# Altium PCB ComplexCurcuit.PcbDoc (part 1 of 2) (continued)
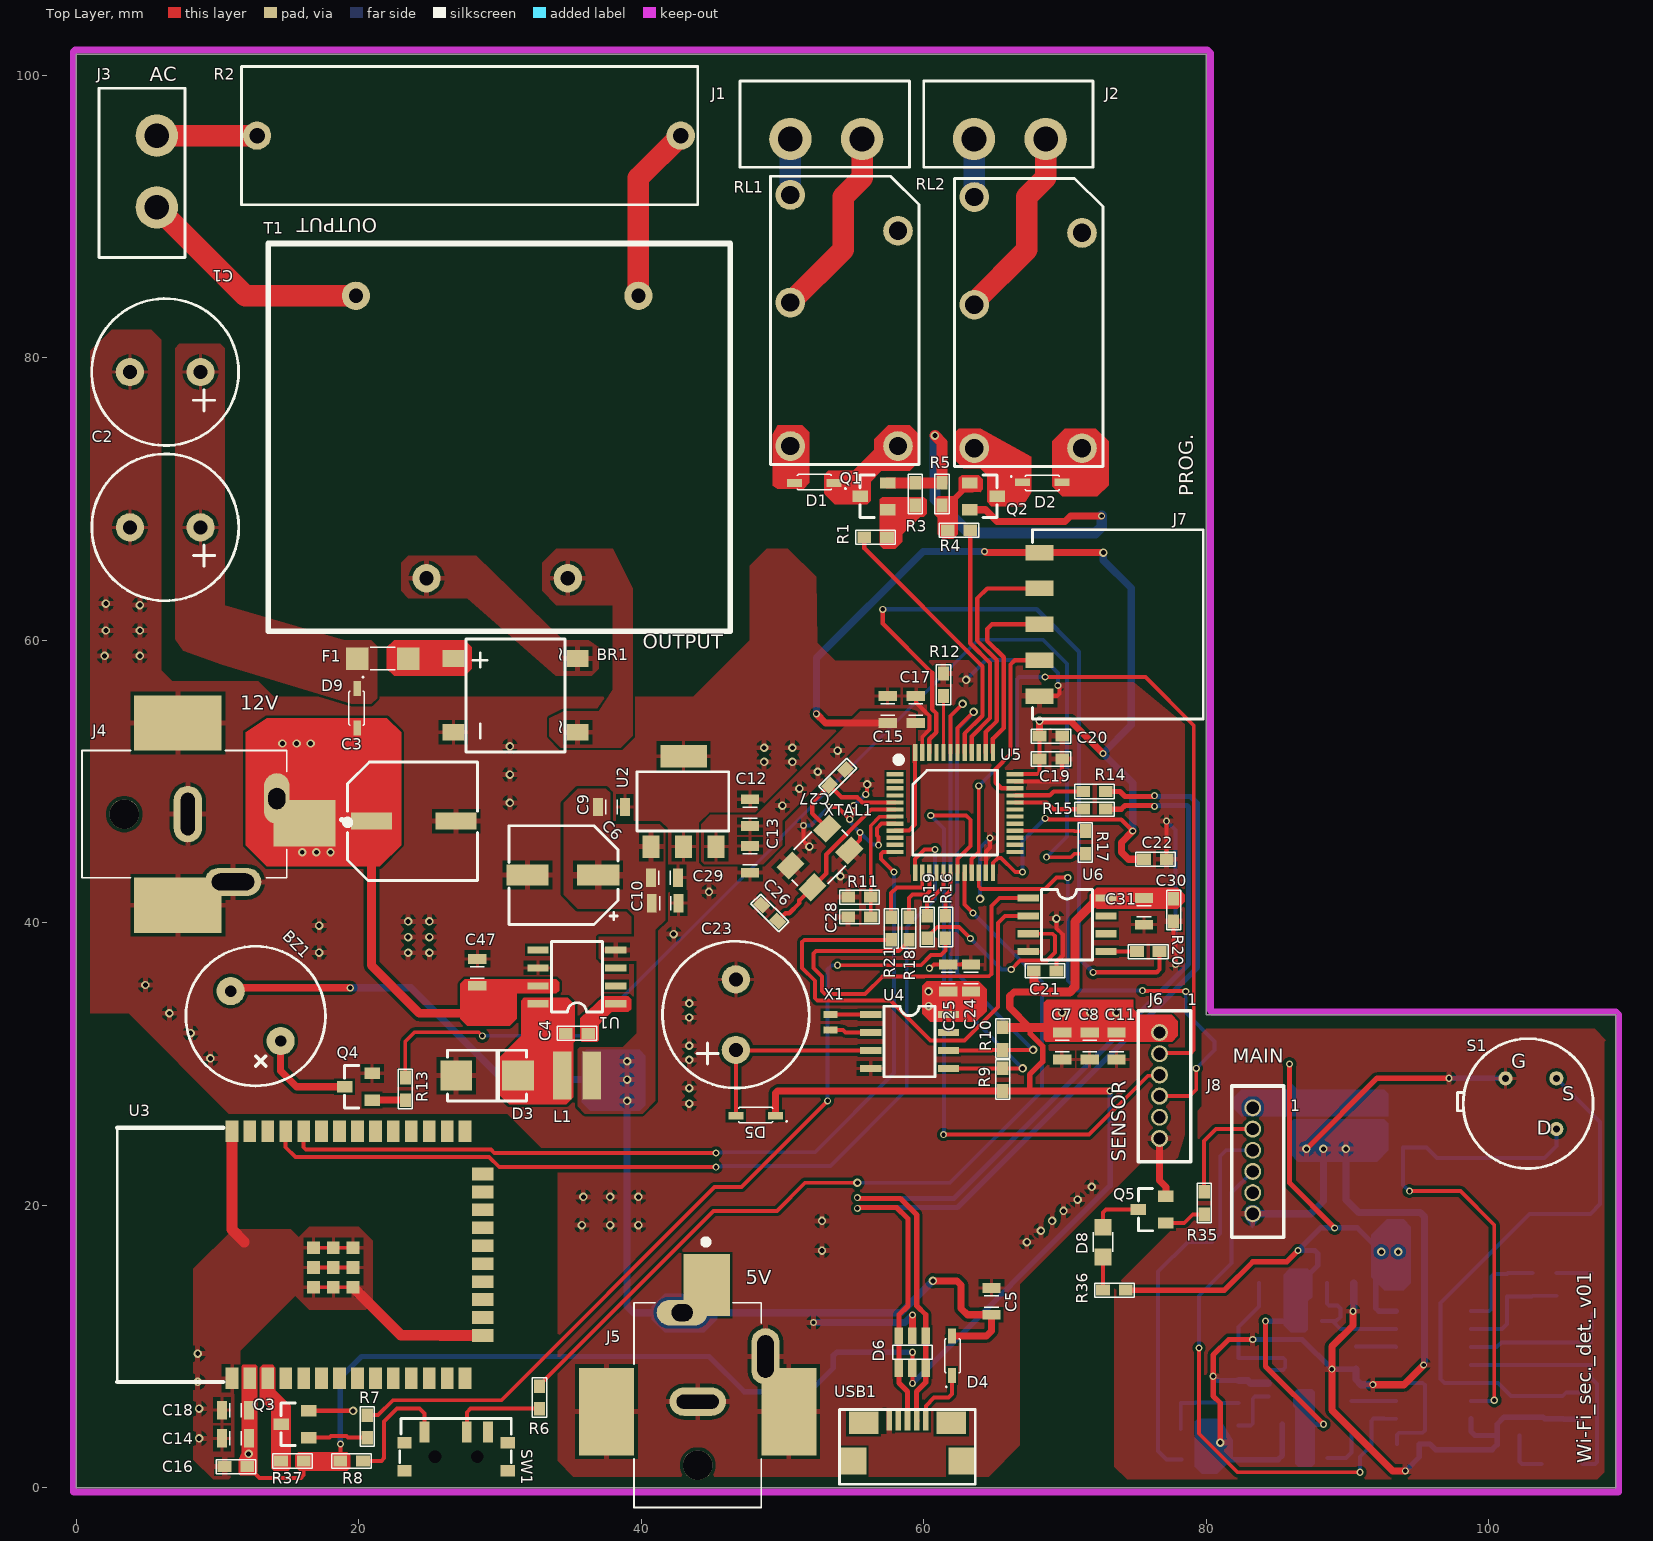
[diagram p0: Top Layer view]
## Components (designator, comment, footprint, x,y, rotation, side; value= is the part's Value field where it differs from the comment) (continued)
Q2 "MMBT3904-7-F" SOT23F 64.2,70.2 r270 top
Q3 "MMBT3904-7-F" SOT23F 15.5,4.5 r90 top
Q4 "MMBT3904-7-F" SOT23F 20,28.4 r90 top
Q5 "MMBT3904-7-F" SOT23F 76.2,19.7 r90 top
R1 "RC0603FR-071KL" "RES 0603" 56.6,67.3 r0 top value=1kR
R2 "5WD27" RES_AXİAL_W 27.8,95.74 r0 top
R3 "RES 10K OHM  06103" "RES 0603" 59.4,70.35 r270 top
R4 "RC0603FR-071KL" "RES 0603" 62.5,67.8 r180 top value=1kR
R5 "RES 10K OHM  06103" "RES 0603" 61.3,70.35 r270 top
R6 "RC0603JR-07100RL" "RES 0603" 32.8,6.4 r270 top
R7 "RC0603JR-07100RL" "RES 0603" 20.6,4.35 r270 top
R8 "RC0603JR-07100RL" "RES 0603" 19.5,1.9 r180 top
R9 "RC0603JR-074K7L" "RES 0603" 65.6,28.9 r270 top
R10 "RC0603JR-074K7L" "RES 0603" 65.6,31.8 r90 top
R11 "RC0603JR-07100RL" "RES 0603" 55.45,41.82 r0 top
R12 "RC0603JR-07100RL" "RES 0603" 61.4,56.86 r270 top
R13 "RC0603JR-07100RL" "RES 0603" 23.3,28.25 r270 top
R14 "RC0603JR-0715RL" "RES 0603" 72.1,48.05 r180 top
R15 "RC0603JR-0715RL" "RES 0603" 72.1,49.3 r180 top
R16 "RC0603JR-07100RL" "RES 0603" 61.55,39.7 r270 top
R17 "RC0603JR-07100RL" "RES 0603" 71.45,45.7 r270 top
R18 "RC0603JR-07100RL" "RES 0603" 58.95,39.6 r90 top
R19 "RC0603JR-07100RL" "RES 0603" 60.25,39.7 r90 top
R20 "RC0603JR-07100RL" "RES 0603" 75.9,37.96 r0 top
R21 "RC0603JR-07100RL" "RES 0603" 57.7,39.6 r90 top
R22 "RC0603JR-07220KL" "RES 0603" 105.7,9.5 r90 bottom
R23 "RES 10K OHM  06103" "RES 0603" 101.4,3.7 r0 bottom
R24 "RES 10K OHM  06103" "RES 0603" 82.3,8.4 r90 bottom
R25 "RES 10K OHM  06103" "RES 0603" 104.8,14.4 r270 bottom
R26 "RC0603JR-07220KL" "RES 0603" 101.3,14.338 r90 bottom
R27 "RC0603JR-0743KL" "RES 0603" 104.6,5.7 r90 bottom value=43K
R28 "RC0603FR-071KL" "RES 0603" 82.3,5.2 r90 bottom value=1kR
R29 "RC0603FR-071KL" "RES 0603" 87.8,2.1 r0 bottom value=1kR
R30 "RC0603JR-07220KL" "RES 0603" 77.4,6 r0 bottom
R31 "RC0603JR-07220KL" "RES 0603" 77.4,4.15 r0 bottom
R32 "RC0603JR-07220KL" "RES 0603" 87.4,11.8 r0 bottom
R33 "RES 0 OHM JUMPER 1/10W 0603" "RES 0603" 94.3,3.1 r180 bottom
R34 "RES 0 OHM JUMPER 1/10W 0603" "RES 0603" 90.6,9.2 r90 bottom
R35 "RC0603FR-071KL" "RES 0603" 79.861,20.15 r270 top value=1kR
R36 "RC0603JR-07100RL" "RES 0603" 73.5,14 r0 top
R37 "RC0603JR-07100RL" "RES 0603" 15.3,1.9 r180 top
RL1 "ALQ112" ALQ112 54.37,82.65 r90 top
RL2 "ALQ112" ALQ112 67.4,82.5 r90 top
RT1 "TFPT1206L1002FM" "RES 1206 PACKAGE" 85.2,14.5 r0 bottom value=10kR
S1 "LHI 878/3902" "LHI 878/3902" 103,27.2 r0 top
SW1 "EG1215AA" EG1215AA 26.9,2.2 r0 top
T1 "BV302S12010" BV302S 29.8,74.4 r0 top
U1 "LM2675MX-12/NOPB" SOIC8 35.45,36.18 r90 top
U2 "AP7361C-33E-13" SOT223 43,48.6 r0 top
U3 "ESP32-VROOM-32" ESP-32-32E 19.9,16.5 r90 top
U4 "M41T00M6F" SOIC8 59,31.6 r270 top
U5 "STM32F103C6T6A" LQFP48 62.228,47.8 r270 top
U6 "MAX6662MSA+" SOIC8 70.15,39.865 r270 top
U7 "IC OPAMP GP 1 CIRCUIT SOT23-5" SOT23-5 85.7,7.4 r0 bottom
U8 "NCS36000DRG" SOIC14 96.1,8.7 r180 bottom
USB1 "CONN RCPT USB2.0 MICRO B SMD R/A" "MICRO B USB CONNECTOR" 58.85,4.75 r0 top
X1 "CRYSTAL 32.7680KHZ 12.5PF SMD" ABS05 53.4,32.955 r270 top
XTAL1 "CRYSTAL 16MHZ" ECS-160-20-30B-TR 52.65,44.6 r45 top

## Footprints (in the part's own frame and the unit in brackets; to place one, negate y for a bottom-side part, rotate by r counter-clockwise, add the part's x,y. Pads: shape width x height; smd on the part's side, far side on the other; paste and mask are expansions set on the pad)
"3413.0216.22 FUSE" [mm]
  rect 1.6x1.6 smd mask+0.05: 1(-1.8,0) 2(1.8,0)
  silkscreen extent -0.9,-0.8 0.9,0.8, body extent -1.7,-0.8 1.5,0.8, height 0.61
"64800611622 CONNECTOR-1X6 MALE HEADER" [mm]
  round 1.2 hole 0.87 mask+0.05: 1(-3.75,0) 2(-2.25,0) 3(-0.75,0) 4(0.75,0) 5(2.25,0) 6(3.75,0)
  silkscreen extent -5.3,-1.5 5.4,2.2, body extent -5.25,-1.4 5.25,2.1, height 5.25
ABS05 [mm]
  rect 0.5x1 smd mask+0.05: 1(-0.55,0) 2(0.55,0)
  body extent -0.8,-0.5 0.8,0.5, height 0.55
ALQ112 [mm] "RELAY"
  round 2.1 hole 1.3 mask+0.05: 1(6.35,-3.81) 2(1.27,3.81) 3(8.89,3.81) 4(-8.89,-3.81) 5(-8.89,3.81)
  silkscreen extent -10.19,-5.29 10.21,5.21, body extent -10,-4.98 10,5.02, height 15.6
"BUZZER CMI-9605-0580T" [mm] "CMI-9605-0580T-80dB"
  round 2 hole 0.8 mask+0.05: 1(0,2.5) 2(0,-2.5)
  silkscreen extent -4.94,-4.94 4.94,4.94, body extent -4.8,-4.8 4.8,4.8, height 5.2
BV302S [mm]
  round 2 hole 1 mask+0.05: 1(10,10) 5(-10,10) 7(-5,-10) 9(5,-10)
  silkscreen extent -16.2,-13.74 16.5,13.7, body extent -16.15,-13.85 16.35,13.65, height 21.8
"CAP 0603" [mil] "0603 Pack"
  rect 38x31 smd mask+1.97: 1(-31.5,0) 2(31.5,0)
  silkscreen extent -55,-20 55,20, body extent -41,-20 41,21, height 31
"CAP 0805" [mm]
  rect 0.7x1.3 smd mask+0.05: 1(-0.95,0) 2(0.95,0)
  silkscreen extent -0.4,-0.5 0.4,0.5, body extent -1,-0.6 1,0.6, height 1.36
"CAP 1206" [mm]
  rect 0.9x1.6 smd mask+0.05: 1(-1.45,0) 2(1.45,0)
  silkscreen extent -0.8,-0.7 0.8,0.7, body extent -1.6,-0.8 1.6,0.8, height 0.95
"CAP _RADİAL_D10_P5" [mm] "ESH477M050AH4AA"
  round 2 hole 1 mask+0.05: 1(-2.5,0) 2(2.5,0)
  silkscreen extent -5.2,-5.2 5.2,5.2, body extent -5.27,-5.24 5.25,5.24, height 22.51
"CAP AEC NICHICON" [mm] "UWT1H101MNL1GS"
  rect 2.9x1.2 smd mask+0.05: 1(-3,0) 2(3,0)
  silkscreen extent -5.2,-4.2 4.5,4.2, body extent -4.65,-4.25 4.65,4.25, height 10.44
CAP_EEVSERİES [mm]
  rect 3x1.5 smd mask+0.05: 1(-2.5,0) 2(2.5,0)
  silkscreen extent -3.9,-3.5 3.8,3.5, body extent -3.8,-3.4 3.8,3.4, height 8.06
"CHIP LED 0805" [mm]
  rect 1.2x1.2 smd mask+0.05: 1(-1.05,0) 2(1.05,0)
  silkscreen extent -0.7,-0.7 0.7,0.7, body extent -1,-0.65 1,0.65, height 1
DB105S [mm] "Diodes  Bridge Rectifier"
  rect 1.2x1.55 smd mask+0.05: 1(-2.605,-4.4) 2(2.605,-4.4) 3(2.605,4.4) 4(-2.605,4.4)
  silkscreen extent -4,-3.5 4,3.5, body extent -4.16,-5.2 4.16,5.2, height 2.76
ECS-160-20-30B-TR [mm] "16 MHz ±30ppm Crystal 20pF 50 Ohms 4-SMD, No Lead"
  rect 1.6x1.25 smd mask+0.05: 1(-1.85,-1.1) 2(1.85,-1.1) 3(1.85,1.1) 4(-1.85,1.1)
  silkscreen extent -2.5,-1.7 2.5,1.7, body extent -2.5,-1.6 2.5,1.6, height 0.95
EG1215AA [mm] "Slide Switch"
  round 0 hole 0.9 mask+0.05: 0(-1.5,0) 0(1.5,0)
  rect 0.7x1.5 smd mask+0.05: 1(-2.25,1.75) 2(0.75,1.75) 3(2.25,1.75)
  rect 1x0.8 smd mask+0.05: ""(-3.65,-1) ""(-3.65,1) ""(3.65,-1) ""(3.65,1)
  silkscreen extent -4,-0.4 3.9,2.7, body extent -3.85,-2.7 3.85,2.2, height 1.4
ESP-32-32E [mm]
  rect 1.5x0.9 smd mask+0.05: 1(-8.742,8.879) 2(-8.742,7.609) 3(-8.742,6.339) 4(-8.742,5.069) 5(-8.742,3.799) 6(-8.742,2.529) 7(-8.742,1.259) 8(-8.742,-0.011) 9(-8.742,-1.281) 10(-8.742,-2.551) 11(-8.742,-3.821) 12(-8.742,-5.091) 13(-8.742,-6.361) 14(-8.742,-7.631) 25(8.742,-7.629) 26(8.742,-6.359) 27(8.742,-5.089) 28(8.742,-3.819) 29(8.742,-2.549) 30(8.742,-1.279) 31(8.742,-0.009) 32(8.742,1.261) 33(8.742,2.531) 34(8.742,3.801) 35(8.742,5.071) 36(8.742,6.341) 37(8.742,7.611) 38(8.742,8.881)
  rect 0.9x1.5 smd mask+0.05: 15(-5.712,-8.881) 15(-5.712,-8.881) 16(-4.442,-8.881) 17(-3.172,-8.881) 18(-1.902,-8.881) 19(-0.632,-8.881) 20(0.638,-8.881) 21(1.908,-8.881) 22(3.178,-8.881) 23(4.448,-8.881) 24(5.718,-8.881)
  rect 0.9x0.9 smd mask+0.05: 39(-2.3,3.1) 39(-2.3,0.3) 39(-2.3,1.7) 39(-0.9,1.7) 39(-0.9,3.1) 39(-0.9,0.3) 39(0.5,3.1) 39(0.5,1.7) 39(0.5,0.3)
  silkscreen extent -9,9.5 9,17, body extent -8.95,-9 8.95,16.4, height 2.61
IND_1212 [mm]
  rect 1.3x3.4 smd mask+0.05: 1(-1.05,0) 2(1.05,0)
  body extent -1.5,-1.5 1.5,1.5, height 1.3
JACK [mm] "PJ-037AH-SMT-TR"
  oval 1.8x3.6 hole 1.2 slot 1.5 at 90 deg: 1(6.3,1.1)
  rect 4.4x3.3 smd: 1(8.25,-0.65)
  rect 6.2x3.9 smd: 2(-0.7,6.45) 3(-0.7,-6.45)
  oval 2x4 hole 1 slot 3 at 90 deg: 2(0,0)
  oval 4x2 hole 1.2 slot 3 at 0 deg: 3(3.2,-4.8)
  round 2.1 hole 2.1 unplated: ""(-4.5,0)
  silkscreen extent -7.5,-4.5 11.51,4.5, body extent -7.6,-7.7 9.5,7.5, height 11.2
"LHI 878/3902" [mm] "Pyro Dec- LHI 878/3902"
  round 1 hole 0.5 mask+0.05: 1(1.797,-1.798) 2(1.797,1.794) 3(-1.8,1.79)
  silkscreen extent -5.2,-4.6 4.4,4.6, body extent -5.08,-4.6 4.6,4.6, height 4.8
LQFP48 [mm] "7mm x 7mm"
  rect 0.3x1.2 smd mask+0.05: 1(-2.725,-4.25) 1(-2.725,-4.25) 2(-2.225,-4.25) 3(-1.725,-4.25) 4(-1.225,-4.25) 5(-0.725,-4.25) 6(-0.225,-4.25) 7(0.275,-4.25) 8(0.775,-4.25) 9(1.275,-4.25) 10(1.775,-4.25) 11(2.275,-4.25) 12(2.775,-4.25) 25(2.775,4.25) 26(2.275,4.25) 27(1.775,4.25) 28(1.275,4.25) 29(0.775,4.25) 30(0.275,4.25) 31(-0.225,4.25) 32(-0.725,4.25) 33(-1.225,4.25) 34(-1.725,4.25) 35(-2.225,4.25) 36(-2.725,4.25)
  rect 1.2x0.3 smd mask+0.05: 13(4.25,-2.828) 14(4.25,-2.328) 15(4.25,-1.828) 16(4.25,-1.328) 17(4.25,-0.828) 18(4.25,-0.328) 19(4.25,0.172) 20(4.25,0.672) 21(4.25,1.172) 22(4.25,1.672) 23(4.25,2.172) 24(4.25,2.672) 37(-4.25,2.672) 38(-4.25,2.172) 39(-4.25,1.672) 40(-4.25,1.172) 41(-4.25,0.672) 42(-4.25,0.172) 43(-4.25,-0.328) 44(-4.25,-0.828) 45(-4.25,-1.328) 46(-4.25,-1.828) 47(-4.25,-2.328) 48(-4.25,-2.828)
  silkscreen extent -3.95,-4.2 3,3, body extent -4.5,-4.6 4.5,4.4, height 1.6
"MICRO B USB CONNECTOR" [mm]
  rect 0.4x1.35 smd mask+0.05: 1(1.3,0) 2(0.65,0) 3(0,0) 4(-0.65,0) 5(-1.3,0)
  rect 1.8x1.9 smd mask+0.05: ""(-3.8,-2.85) ""(3.8,-2.85)
  rect 2.1x1.6 smd mask+0.05: ""(-3.1,-0.13) ""(3.1,-0.13)
  silkscreen extent -4.8,-4.5 4.8,0.8, body extent -3.96,-5.4 3.96,0.26, height 2.84
"RES 0603" [mil] "0603 Pack"
  rect 38x31 smd mask+1.97: 1(-31.5,0) 2(31.5,0)
  silkscreen extent -55,-20 55,20, body extent -39,-19 39,20, height 17
"RES 1206 PACKAGE" [mm]
  rect 0.9x1.6 smd mask+0.05: 1(-1.45,0) 2(1.45,0)
  silkscreen extent -0.85,-0.8 0.85,0.8, body extent -1.97,-0.98 1.97,0.98, height 1.3
RES_AXİAL_W [mm]
  round 2 hole 1.1 mask+0.05: 1(-15,0) 2(15,0)
  silkscreen extent -16.1,-4.9 16.2,4.9, body extent -15.4,-4.82 15.39,4.83, height 9.65
SMB [mm]
  rect 2.25x2.12 smd mask+0.05: A(-2.185,0) C(2.185,0)
  silkscreen extent -2.8,-1.8 2.8,1.8, body extent -2.72,-1.78 2.72,1.78, height 2.54
SMH-105-02-L-S [mm]
  rect 1.1x2 smd mask+0.05: 1(-5.08,0) 2(-2.54,0) 3(0,0) 4(2.54,0) 5(5.08,0)
  silkscreen extent -6.7,-0.5 6.7,11.6, body extent -6.6,-0.43 6.6,11.51, height 2.61
SOD323F [mm]
  rect 1.05x0.55 smd mask+0.05: A(-1.5,0) C(1.3,0)
  silkscreen extent -2.35,-0.6 1.1,0.5, body extent -1.35,-0.65 1.15,0.6, height 1
SOIC8 [mm] "SOIC8 Package"
  rect 0.5x1.5 smd mask+0.05: 1(-1.905,-2.75) 2(-0.635,-2.75) 3(0.635,-2.75) 4(1.905,-2.75) 5(1.905,2.75) 6(0.635,2.75) 7(-0.635,2.75) 8(-1.905,2.75)
  silkscreen extent -2.5,-1.8 2.5,1.8, body extent -2.45,-3 2.45,3, height 1.75
SOIC14 [mm]
  rect 1.2x0.6 smd mask+0.05: 1(-2.65,3.81) 2(-2.65,2.54) 3(-2.65,1.27) 4(-2.65,0) 5(-2.65,-1.27) 6(-2.65,-2.54) 7(-2.65,-3.81) 8(2.65,-3.81) 9(2.65,-2.54) 10(2.65,-1.27) 11(2.65,0) 12(2.65,1.27) 13(2.65,2.54) 14(2.65,3.81)
  silkscreen extent -1.9,-4.09 1.9,4.11, body extent -3.1,-4.32 3.1,4.34, height 1.86
SOT23-5 [mm]
  rect 1.1x0.6 smd mask+0.05: 1(-1.3,0.95) 2(-1.3,0) 3(-1.3,-0.95) 4(1.3,-0.95) 5(1.3,0.95)
  silkscreen extent -2.4,-1.5 1.5,1.5, body extent -1.4,-1.45 1.4,1.45, height 1.25
SOT23-6L [mm]
  rect 0.6x1.2 smd mask+0.05: 1(-0.95,-1.15) 2(0,-1.15) 3(0.95,-1.15) 4(0.95,1.15) 5(0,1.15) 6(-0.95,1.15)
  silkscreen extent -1.4,-0.5 1.4,0.5, body extent -1.45,-1.39 1.45,1.39, height 1.2
SOT23F [mm]
  rect 0.8x1.1 smd mask+0.05: 1(-0.95,-0.95) 2(0.95,-0.95) 3(0,1)
  silkscreen extent -1.5,0 1.5,1, body extent -1.5,-1.42 1.5,1.42, height 1.2
SOT223 [mm] "Linear Voltage Regulator IC Positive Fixed 1 Output 1A SOT-223-3"
  rect 1.2x1.6 smd mask+0.05: 1(-2.3,-3.2) 2(0,-3.2) 3(2.3,-3.2)
  rect 3.3x1.6 smd mask+0.05: 2(0,3.2)
  silkscreen extent -3.3,-2.1 3.2,2.1, body extent -3.25,-3.18 3.25,3.78, height 1.7
TBP01R1-508 [mm]
  round 3 hole 1.75 mask+0.05: 1(-2.54,0) 2(2.54,0)
  silkscreen extent -5.9,-4.1 6.1,2, body extent -5.8,-10.1 5.96,1.9, height 8.6

## Part data
BR1: "Bridge Rectifier, Full Wave, 600 Volt,", Case Package=DB-S, Manufacturer="SMC Diode Solutions", Manufacturer Part Number=DB105S, Max Operating Temperature=150°C, Min Operating Temperature=-55°C, Operating Voltage=600V, Supplier Part Number=1655-DB105STR-ND, Category="Rectifier Diodes", ComponentLink1Description=http://www.mouser.com/ds/2/345/db101-107-32844.pdf?src-supplier=Mouser, ComponentLink1URL=http://www.mouser.com/ds/2/345/db101-107-32844.pdf?src-supplier=Mouser, Designed By="Görkem Bulut", Max Curent=1A, Number of Pins=4, RoHS=Yes, RoHS Compliant=Yes, Stock=1865, Supplier=Digi-Key
BZ1: "9.6 mm, 5 Vdc, 80 dB, Through Hole, Driving Circuit, Magnetic Audio Indicator Buzzer", Case Package=CMI-9605IC, Manufacturer="CUI Devices", Operating Temperature="-30°C ~ 70°C", Supplier Part Number=102-CMI-9605-0580T-ND, Supply Voltage Nominal="3 ~ 7V", Designed By="Görkem Bulut", Manufacturer Part Number=CMI-9605-0580T, RoHS=No, Supplier=Digi-Key
C1 C2 C23: "Cap, 470UF, 50V, Alu Elec, Radial", Capacitance=470uF, Manufacturer=KEMET, Manufacturer Part Number=ESH477M050AH4AA, Supplier Part Number=399-15683-ND, ComponentLink1Description=https://api.kemet.com/component-edge/download/datasheet/ESH477M050AH4AA.pdf?src-supplier=Digi-Key, ComponentLink1URL=https://api.kemet.com/component-edge/download/datasheet/ESH477M050AH4AA.pdf?src-supplier=Digi-Key, ComponentLink2Description=https://datasheet.octopart.com/ESH477M050AH4AA-KEMET-datasheet-130075338.pdf?src-supplier=Newark, ComponentLink2URL=https://datasheet.octopart.com/ESH477M050AH4AA-KEMET-datasheet-130075338.pdf?src-supplier=Newark, Designed By="Görkem Bulut", Pricing="1=0,68, 10=0,482, 50=0,3646, 100=0,3175, 500=0,23518, 1000=0,19991, 2500=0,18815, 5000=0,17639 (USD)", RoHS=Yes, Stock=6719, Supplier=Digi-Key
C3: library part "CAP CER 100uF AEC", "Aluminum Electrolytic Capacitor, 100uF 50 V dc, WT Series 1000h 8 (Dia.) x 10mm", Capacity=100uF, Manufacturer=Nichicon, Package/Case="Radial, Can - SMD", Supplier Part Number=493-2226-1-ND, Category="Aluminum Electrolytic Capacitors", ComponentLink1Description=https://datasheet.ciiva.com/97/e-wt-97104.pdf?src-supplier=Digi-Key, ComponentLink1URL=https://datasheet.ciiva.com/97/e-wt-97104.pdf?src-supplier=Digi-Key, ComponentLink2Description=https://datasheet.ciiva.com/97/e-wt-97105.pdf?src-supplier=Digi-Key, ComponentLink2URL=https://datasheet.ciiva.com/97/e-wt-97105.pdf?src-supplier=Digi-Key, ComponentLink3Description=https://datasheet.ciiva.com/97/e-wt-97106.pdf?src-supplier=Digi-Key, ComponentLink3URL=https://datasheet.ciiva.com/97/e-wt-97106.pdf?src-supplier=Digi-Key, ComponentLink4Description=https://datasheet.ciiva.com/11776/0900766b80fa3a91-11776930.pdf?src-supplier=Rs, ComponentLink4URL=https://datasheet.ciiva.com/11776/0900766b80fa3a91-11776930.pdf?src-supplier=Rs, ComponentLink5Description=https://datasheet.ciiva.com/16502/e-wt-16502940.pdf?src-supplier=Future+Electronics, ComponentLink5URL=https://datasheet.ciiva.com/16502/e-wt-16502940.pdf?src-supplier=Future+Electronics, ComponentLink6Description=https://datasheet.ciiva.com/5362/e-wt-30307-5362773.pdf?src-supplier=Mouser, ComponentLink6URL=https://datasheet.ciiva.com/5362/e-wt-30307-5362773.pdf?src-supplier=Mouser, ComponentLink7Description=https://datasheet.ciiva.com/11686/e-wt-11686889.pdf?src-supplier=Avnet, ComponentLink7URL=https://datasheet.ciiva.com/11686/e-wt-11686889.pdf?src-supplier=Avnet, ComponentLink8Description=https://datasheet.ciiva.com/28458/1910938-28458459.pdf?src-supplier=Element14, ComponentLink8URL=https://datasheet.ciiva.com/28458/1910938-28458459.pdf?src-supplier=Element14, ComponentLink9Description=https://datasheet.ciiva.com/7781/e-wt-7781807.pdf?src-supplier=Element14, ComponentLink9URL=https://datasheet.ciiva.com/7781/e-wt-7781807.pdf?src-supplier=Element14, Designed By="Görkem BULUT", Manufacturer Part Number=UWT1H101MNL1GS, Pricing="1=0,45, 10=0,317, 50=0,2398, 100=0,2089 (USD)", RoHS=Yes, Stock=94104, Supplier=Digi-Key
C4 C34 C36: library part "CAP CER 10nF", "Multilayer Ceramic Capacitor, 0.01 F, 10%, X7R, 16 V, 0603 [1608 Metric] RoHS Compliant: Yes", Capacity=10nF, Case/Package=0603, Manufacturer="Walsin Technologies", Supplier Part Number=1292-1384-1-ND, Category="Ceramic Capacitors", ComponentLink1Description=http://www.farnell.com/datasheets/1958513.pdf?src-supplier=Farnell, ComponentLink1URL=http://www.farnell.com/datasheets/1958513.pdf?src-supplier=Farnell, ComponentLink2Description=http://www.passivecomponent.com/wp-content/uploads/2018/10/MLCC.pdf?src-supplier=Digi-Key, ComponentLink2URL=http://www.passivecomponent.com/wp-content/uploads/2018/10/MLCC.pdf?src-supplier=Digi-Key, ComponentLink3Description=https://datasheet.octopart.com/0603B103K160CT-Walsin-Technologies-datasheet-85392065.pdf?src-supplier=Element14, ComponentLink3URL=https://datasheet.octopart.com/0603B103K160CT-Walsin-Technologies-datasheet-85392065.pdf?src-supplier=Element14, ComponentLink4Description=https://datasheet.octopart.com/0603B103K160CT-Walsin-Technologies-datasheet-136037192.pdf?src-supplier=Future+Electronics, ComponentLink4URL=https://datasheet.octopart.com/0603B103K160CT-Walsin-Technologies-datasheet-136037192.pdf?src-supplier=Future+Electronics, ComponentLink5Description=https://datasheet.octopart.com/0603B103K160CT-Walsin-Technologies-datasheet-62066062.pdf?src-supplier=TME, ComponentLink5URL=https://datasheet.octopart.com/0603B103K160CT-Walsin-Technologies-datasheet-62066062.pdf?src-supplier=TME, Manufacturer Part Number=0603B103K160CT, Pricing="1=0,1, 10=0,033, 50=0,0182, 100=0,0148, 500=0,0106, 1000=0,00833 (USD)", RoHS=Yes, Stock=44618, Supplier=Digi-Key
C5 C7 C8 C10 C13 C14 C17 C39 C44 C45: library part "CAP CER 4.7uF", Case Code (Metric)=2012, Case Code (Imperial)=0805, Dielectric=X5R, Manufacturer=Samsung, Manufacturer Part Number=CL21A475KAQNNNE, Max Operating Temperature=85°C, Min Operating Temperature=-55°C, Supplier Part Number=1276-1244-1-ND, Tolerance=10%, Voltage Rating=25V, Case/Package=0805, Category="Ceramic Capacitors", ComponentLink1Description=https://datasheet.ciiva.com/25798/cl21a475kaqnnne-25798882.pdf?src-supplier=Digi-Key, ComponentLink1URL=https://datasheet.ciiva.com/25798/cl21a475kaqnnne-25798882.pdf?src-supplier=Digi-Key, Construction=Flat, Depth=1.25mm, Height=1.25mm, Lead Free="Lead Free", Length=2mm, Mounting Technology="Surface Mount", Packaging="Tape and Reel", Pricing="1=0,1, 10=0,073, 50=0,0414, 100=0,0344, 500=0,02408, 1000=0,01994 (USD)", Radiation Hardening=No, RoHS=Yes, RoHS Compliant=Yes, Series=CL, Stock=3937628, Supplier=Digi-Key, Voltage Rating (DC)=25V
C6: library part "CAP 68uF AEC", "Cap Aluminum Lytic 68uF 35V 20%( 6.3 X 7.7mm) SMD 0.34 Ohm 280mA 2000h 105C T/R", Capacitance=68uF, Case Package=Radial,Can-SMD, Manufacturer=KEMET, Supplier Part Number=399-6722-1-ND, Category="Aluminum Electrolytic Capacitors", ComponentLink1Description=https://datasheet.ciiva.com/5365/kem-a4002-eev-535332-5365784.pdf?src-supplier=Mouser, ComponentLink1URL=https://datasheet.ciiva.com/5365/kem-a4002-eev-535332-5365784.pdf?src-supplier=Mouser, Designed By="Görkem Bulut", Manufacturer Part Number=EEV686M035A9HAA, Pricing="1=0,62, 10=0,439, 50=0,332, 100=0,2892, 500=0,21422 (USD)", RoHS=Yes, Stock=22871, Supplier=Digi-Key
C9 C11 C12 C15 C18 C25 C31 C40 C43 C46 C47: library part "CAP CER 1uF", Capacitance=1uF, Case Package=0805, Manufacturer=Samsung, Manufacturer Part Number=CL21B105KBFNNNE, Supplier Part Number=1276-1029-1-ND, Category="Ceramic Capacitors", ComponentLink1Description=https://datasheet.ciiva.com/16449/cl21b105kbfnnne-16449003.pdf?src-supplier=Future+Electronics, ComponentLink1URL=https://datasheet.ciiva.com/16449/cl21b105kbfnnne-16449003.pdf?src-supplier=Future+Electronics, ComponentLink2Description=https://datasheet.ciiva.com/25800/cl21b105kbfnnne-25800291.pdf?src-supplier=Digi-Key, ComponentLink2URL=https://datasheet.ciiva.com/25800/cl21b105kbfnnne-25800291.pdf?src-supplier=Digi-Key, Designed By="Görkem Bulut", Pricing="1=0,11, 10=0,079, 50=0,045, 100=0,0373, 500=0,02616, 1000=0,02165 (USD)", RoHS=Yes, Stock=142606, Supplier=Digi-Key
C16 C19 C20 C21 C22 C28 C30 C37: "Cap Cer 0.1UF 16V X7R 0603 %10", Capacitance=100nF, Case Package=0603, Manufacturer=KEMET, Manufacturer Part Number=C0603C104K4RAC7082, Supplier Part Number=399-C0603C104K4RAC7082CT-ND, Category="Ceramic Capacitors", Designed By="Görkem Bulut", Number of Pads=2, Pricing="1=0,1, 10=0,072, 50=0,0394, 100=0,0322, 500=0,02298, 1000=0,01805, 2500=0,01641, 5000=0,0151 (USD)", RoHS=Yes, RoHS Compliant=Yes, Stock=34170, Supplier=Digi-Key
C24 C29 C35 C38 C41 C42: library part "CAP CER 100nF 0805", "Multilayer Ceramic Capacitor, 0.1 uF, 50 V, ± 10%, X7R, 0805 [2012 Metric]", Case Code (Metric)=2012, Case Code (Imperial)=0805, Dielectric=X7R, Manufacturer=Samsung, Manufacturer Part Number=CL21B104KBCNNNC, Max Operating Temperature=125°C, Min Operating Temperature=-55°C, Supplier Part Number=1276-1003-1-ND, Tolerance=10%, Voltage=50V, Case/Package=0805, Category="Ceramic Capacitors", ComponentLink1Description=https://datasheet.ciiva.com/25710/cl21b104kbcnnnc-25710182.pdf?src-supplier=Digi-Key, ComponentLink1URL=https://datasheet.ciiva.com/25710/cl21b104kbcnnnc-25710182.pdf?src-supplier=Digi-Key, ComponentLink2Description=https://datasheet.ciiva.com/29199/454152-da-01-en-vs-kondensator-0805-29199814.pdf?src-supplier=Conrad, ComponentLink2URL=https://datasheet.ciiva.com/29199/454152-da-01-en-vs-kondensator-0805-29199814.pdf?src-supplier=Conrad, Construction=Flat, Depth=1.25mm, Height=0.85mm, Lead Free="Lead Free", Length=2mm, Material=Ceramic, Mounting Technology="Surface Mount", Packaging="Tape and Reel", Pricing="1=0,1, 10=0,044, 50=0,024, 100=0,0196, 500=0,01404, 1000=0,01103 (USD)", Radiation Hardening=No, RoHS=Yes, RoHS Compliant=Yes, Series=CL, Stock=954560, Supplier=Digi-Key, Thickness=0.037inch, Voltage Rating=50V, Voltage Rating (DC)=50V, Width=0.049inch
C26 C27: library part "CAP CER 20pF", Capacitance=20pF, Case/Package=0603, Manufacturer=Samsung, Manufacturer Part Number=CL10C200JB8NNNC, Supplier Part Number=1276-1187-1-ND, Category="Ceramic Capacitors", ComponentLink1Description=https://datasheet.ciiva.com/26877/getdatasheetpartid-640634-26877974.pdf?src-supplier=Verical, ComponentLink1URL=https://datasheet.ciiva.com/26877/getdatasheetpartid-640634-26877974.pdf?src-supplier=Verical, ComponentLink2Description=https://datasheet.ciiva.com/26310/mlcc-catalogdownload2013-eng-26310315.pdf?src-supplier=Distrelec, ComponentLink2URL=https://datasheet.ciiva.com/26310/mlcc-catalogdownload2013-eng-26310315.pdf?src-supplier=Distrelec, Pricing="1=0,1, 10=0,044, 50=0,0238, 100=0,0194, 500=0,01386, 1000=0,01089 (USD)", RoHS=Yes, Stock=417304, Supplier=Digi-Key
C32 C33: library part "CAP CER 33uF 1206", "C Series 1206 33 uF 25 V ±20 % Tolerance X5R SMT Multilayer Ceramic Capacitor", Capacitance=33uF, Case Package=1206, Manufacturer=TDK, Manufacturer Part Number=C3216X5R1E336M160AC, Supplier Part Number=445-8046-1-ND, Category="Ceramic Capacitors", ComponentLink1Description=https://datasheet.ciiva.com/24216/c3216x5r1e336m160ac-265051-24216512.pdf?src-supplier=Mouser, ComponentLink1URL=https://datasheet.ciiva.com/24216/c3216x5r1e336m160ac-265051-24216512.pdf?src-supplier=Mouser, ComponentLink2Description=https://datasheet.ciiva.com/6285/tdkmlcccaprange-6285278.pdf?src-supplier=Digi-Key, ComponentLink2URL=https://datasheet.ciiva.com/6285/tdkmlcccaprange-6285278.pdf?src-supplier=Digi-Key, Pricing="1=0,96, 10=0,758, 50=0,6564, 100=0,5681, 500=0,42924, 1000=0,37875 (USD)", RoHS=Yes, Stock=248437, Supplier=Digi-Key